# KiCad board AsicsBoard - 16xBM1368 - 01A.kicad_pcb
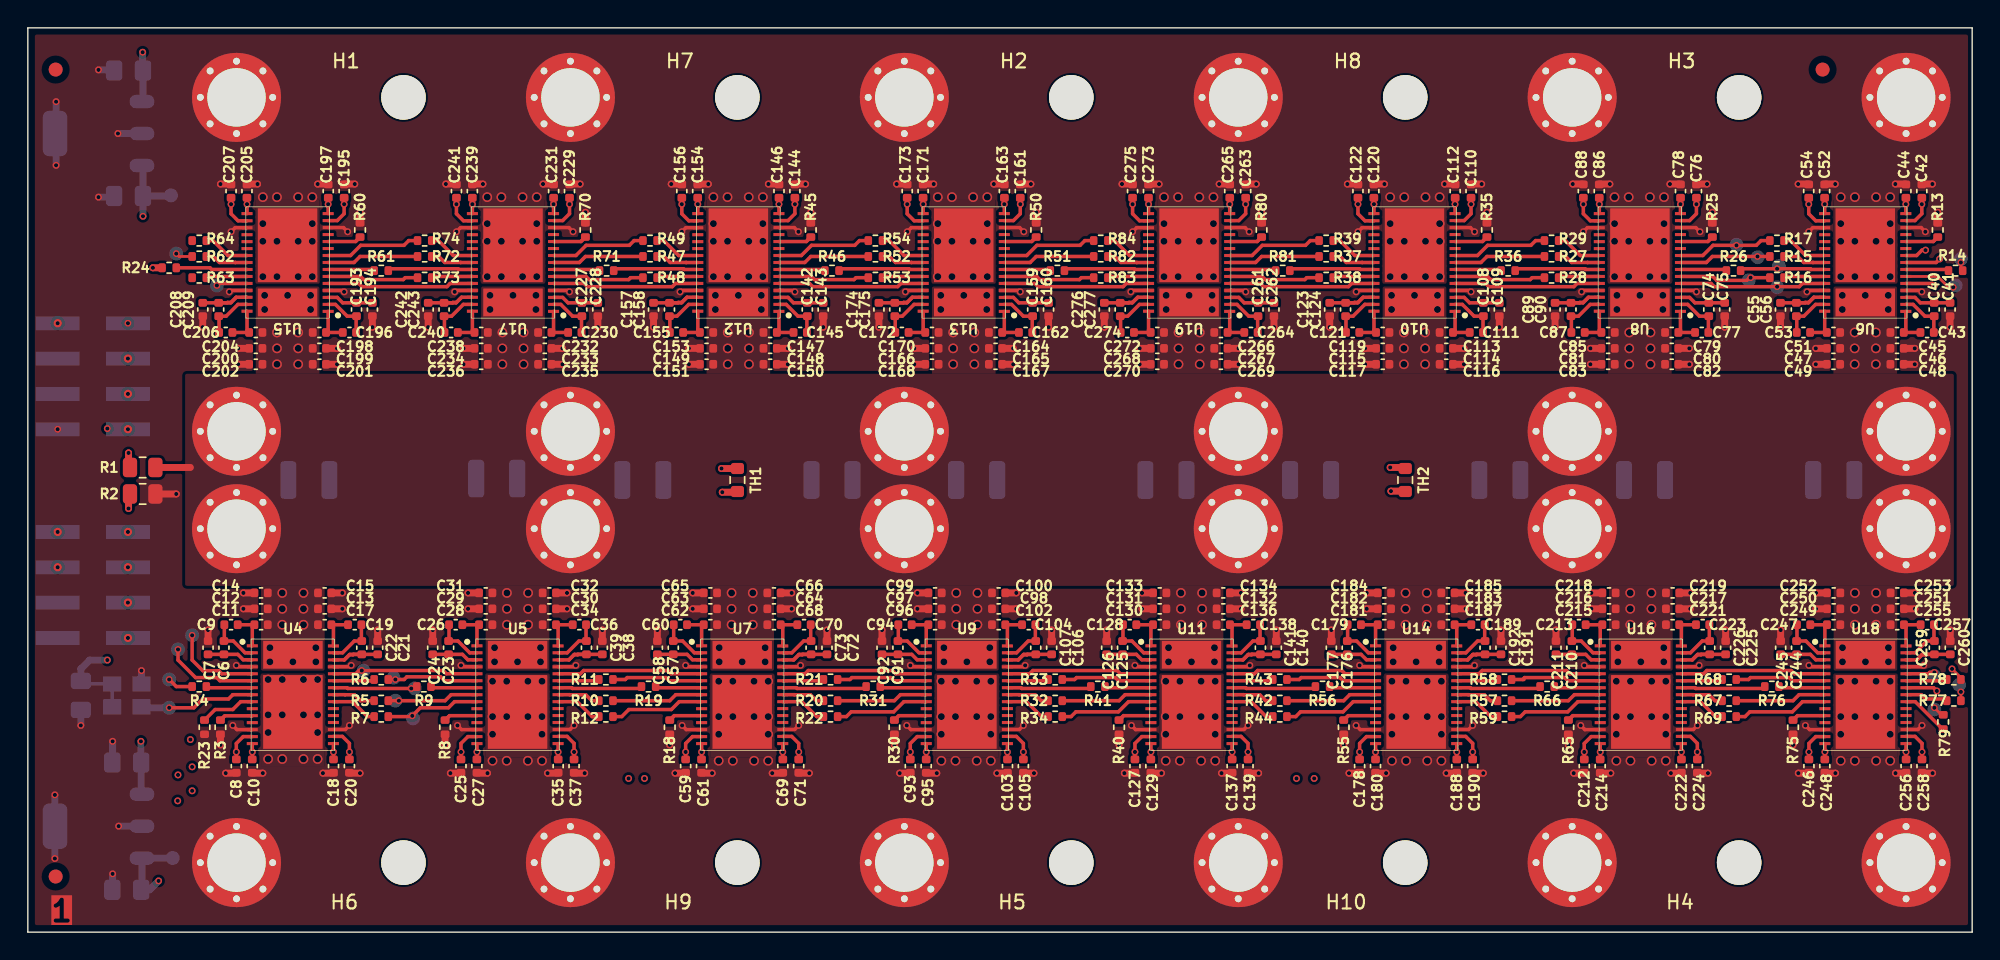
[diagram p0: board, top side]
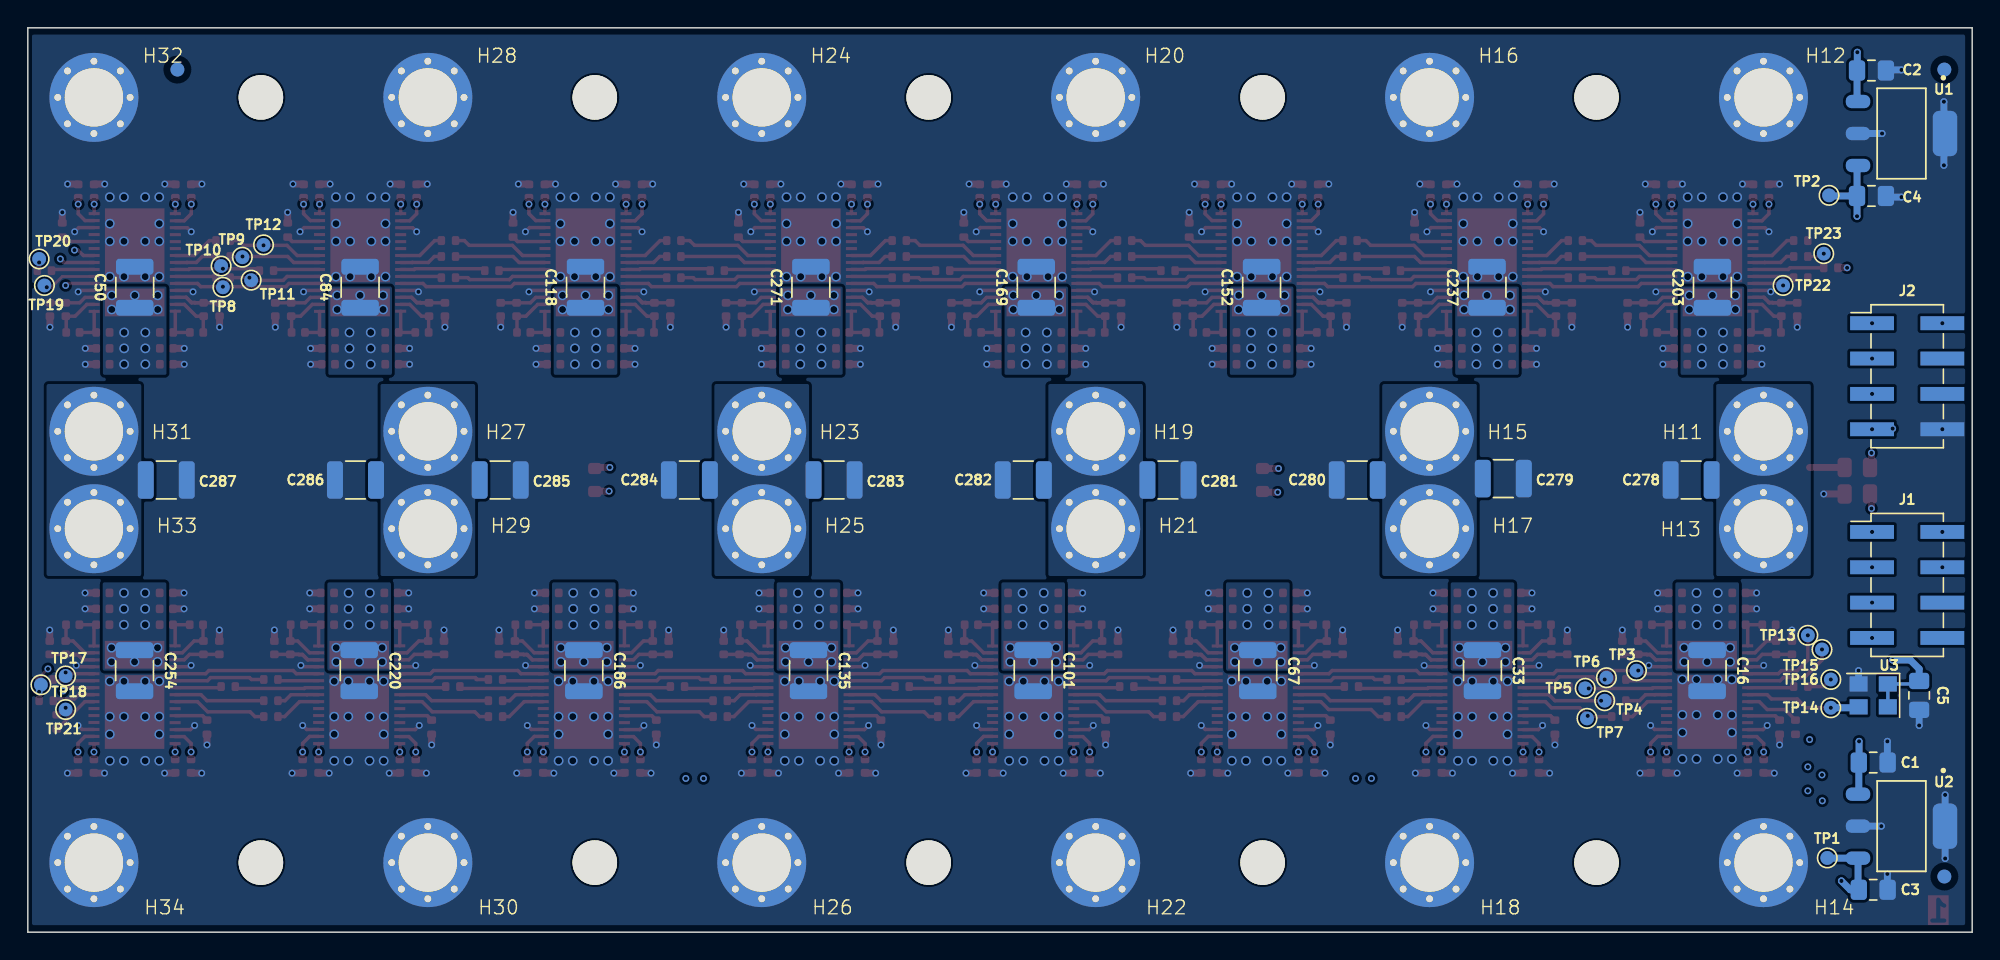
[diagram p1: board, bottom side, seen from below]

Outline 139.75 x 65 mm; copper layers: Top, In1.Cu, In2.Cu, In3.Cu, In4.Cu, Bottom. Coordinates in mm from the lower left corner of the outline.
Outline path: 0,65 0,0 139.75,0 139.75,65 0,65
Stack: Top 0.035mm / dielectric 0.1mm FR4 er 4.5 / In1.Cu 0.035mm / dielectric 0.535mm FR4 er 4.5 / In2.Cu 0.035mm / dielectric 0.1mm FR4 er 4.5 / In3.Cu 0.035mm / dielectric 0.535mm FR4 er 4.5 / In4.Cu 0.035mm / dielectric 0.1mm FR4 er 4.5 / Bottom 0.035mm

## Placement (name value [footprint] x y rotation side)
C1  1uF/16V  [C_0805_2012Metric_Pad1.18x1.45mm_HandSolder]  7.11 12.19 180 bottom
C2  1uF/16V  [C_0805_2012Metric_Pad1.18x1.45mm_HandSolder]  7.24 61.93 180 bottom
C3  1uF/16V  [C_0805_2012Metric_Pad1.18x1.45mm_HandSolder]  7.11 3.05 180 bottom
C4  1uF/16V  [C_0805_2012Metric_Pad1.18x1.45mm_HandSolder]  7.24 52.92 180 bottom
C5  100nF  [C_0805_2012Metric_Pad1.18x1.45mm_HandSolder]  3.81 17.02 270 bottom
C6  1uF/6.3V  [C_0402_1005Metric]  12.95 20.45 270 top
C7  1uF/6.3V  [C_0402_1005Metric]  14.1 20.45 90 top
C8  1uF/6.3V  [C_0402_1005Metric]  14.99 11.94 270 top
C9  1uF/6.3V  [C_0402_1005Metric]  14.61 22.1 0 top
C10  1uF/6.3V  [C_0402_1005Metric]  16.13 11.94 270 top
C11  1uF/6.3V  [C_0402_1005Metric]  16.76 22.1 0 top
C12  100nF  [C_0402_1005Metric]  16.76 23.24 180 top
C13  100nF  [C_0402_1005Metric]  21.34 23.24 0 top
C14  1uF/6.3V  [C_0402_1005Metric]  16.76 24.38 180 top
C15  1uF/6.3V  [C_0402_1005Metric]  21.34 24.38 0 top
C16  330µF/4V  [C_1210_3225Metric]  19.05 18.8 270 bottom
C17  1uF/6.3V  [C_0402_1005Metric]  21.34 22.1 0 top
C18  1uF/6.3V  [C_0402_1005Metric]  21.97 11.94 270 top
C19  1uF/6.3V  [C_0402_1005Metric]  23.5 22.1 0 top
C20  1uF/6.3V  [C_0402_1005Metric]  23.11 11.94 270 top
C21  1uF/6.3V  [C_0402_1005Metric]  24 20.45 270 top
C22  1uF/6.3V  [C_0402_1005Metric]  25.15 20.45 90 top
C23  1uF/6.3V  [C_0402_1005Metric]  29.1 20.45 270 top
C24  1uF/6.3V  [C_0402_1005Metric]  30.24 20.45 90 top
C25  1uF/6.3V  [C_0402_1005Metric]  31.13 11.94 270 top
C26  1uF/6.3V  [C_0402_1005Metric]  30.75 22.1 0 top
C27  1uF/6.3V  [C_0402_1005Metric]  32.28 11.94 270 top
C28  1uF/6.3V  [C_0402_1005Metric]  32.91 22.1 0 top
C29  100nF  [C_0402_1005Metric]  32.91 23.24 180 top
C30  100nF  [C_0402_1005Metric]  37.48 23.24 0 top
C31  1uF/6.3V  [C_0402_1005Metric]  32.91 24.38 180 top
C32  1uF/6.3V  [C_0402_1005Metric]  37.48 24.38 0 top
C33  330µF/4V  [C_1210_3225Metric]  35.2 18.8 270 bottom
C34  1uF/6.3V  [C_0402_1005Metric]  37.48 22.1 0 top
C35  1uF/6.3V  [C_0402_1005Metric]  38.12 11.94 270 top
C36  1uF/6.3V  [C_0402_1005Metric]  39.64 22.1 0 top
C37  1uF/6.3V  [C_0402_1005Metric]  39.26 11.94 270 top
C38  1uF/6.3V  [C_0402_1005Metric]  40.15 20.45 270 top
C39  1uF/6.3V  [C_0402_1005Metric]  41.29 20.45 90 top
C40  1uF/6.3V  [C_0402_1005Metric]  138.16 44.75 90 top
C41  1uF/6.3V  [C_0402_1005Metric]  137.02 44.75 270 top
C42  1uF/6.3V  [C_0402_1005Metric]  136.13 53.26 90 top
C43  1uF/6.3V  [C_0402_1005Metric]  136.51 43.1 180 top
C44  1uF/6.3V  [C_0402_1005Metric]  134.99 53.26 90 top
C45  1uF/6.3V  [C_0402_1005Metric]  134.35 43.1 180 top
C46  100nF  [C_0402_1005Metric]  134.35 41.96 0 top
C47  100nF  [C_0402_1005Metric]  129.78 41.96 180 top
C48  1uF/6.3V  [C_0402_1005Metric]  134.35 40.82 0 top
C49  1uF/6.3V  [C_0402_1005Metric]  129.78 40.82 180 top
C50  330µF/4V  [C_1210_3225Metric]  132.07 46.36 90 bottom
C51  1uF/6.3V  [C_0402_1005Metric]  129.78 43.1 180 top
C52  1uF/6.3V  [C_0402_1005Metric]  129.15 53.26 90 top
C53  1uF/6.3V  [C_0402_1005Metric]  127.62 43.1 180 top
C54  1uF/6.3V  [C_0402_1005Metric]  128 53.26 90 top
C55  1uF/6.3V  [C_0402_1005Metric]  127.11 44.76 90 top
C56  1uF/6.3V  [C_0402_1005Metric]  125.97 44.76 270 top
C57  1uF/6.3V  [C_0402_1005Metric]  45.25 20.45 270 top
C58  1uF/6.3V  [C_0402_1005Metric]  46.39 20.45 90 top
C59  1uF/6.3V  [C_0402_1005Metric]  47.28 11.94 270 top
C60  1uF/6.3V  [C_0402_1005Metric]  46.9 22.1 0 top
C61  1uF/6.3V  [C_0402_1005Metric]  48.42 11.94 270 top
C62  1uF/6.3V  [C_0402_1005Metric]  49.06 22.1 0 top
C63  100nF  [C_0402_1005Metric]  49.06 23.24 180 top
C64  100nF  [C_0402_1005Metric]  53.63 23.24 0 top
C65  1uF/6.3V  [C_0402_1005Metric]  49.06 24.38 180 top
C66  1uF/6.3V  [C_0402_1005Metric]  53.63 24.38 0 top
C67  330µF/4V  [C_1210_3225Metric]  51.34 18.8 270 bottom
C68  1uF/6.3V  [C_0402_1005Metric]  53.63 22.1 0 top
C69  1uF/6.3V  [C_0402_1005Metric]  54.27 11.94 270 top
C70  1uF/6.3V  [C_0402_1005Metric]  55.79 22.1 0 top
C71  1uF/6.3V  [C_0402_1005Metric]  55.41 11.94 270 top
C72  1uF/6.3V  [C_0402_1005Metric]  56.3 20.45 270 top
C73  1uF/6.3V  [C_0402_1005Metric]  57.44 20.45 90 top
C74  1uF/6.3V  [C_0402_1005Metric]  121.96 44.75 90 top
C75  1uF/6.3V  [C_0402_1005Metric]  120.82 44.75 270 top
C76  1uF/6.3V  [C_0402_1005Metric]  119.93 53.26 90 top
C77  1uF/6.3V  [C_0402_1005Metric]  120.31 43.1 180 top
C78  1uF/6.3V  [C_0402_1005Metric]  118.79 53.26 90 top
C79  1uF/6.3V  [C_0402_1005Metric]  118.15 43.1 180 top
C80  100nF  [C_0402_1005Metric]  118.15 41.96 0 top
C81  100nF  [C_0402_1005Metric]  113.58 41.96 180 top
C82  1uF/6.3V  [C_0402_1005Metric]  118.15 40.82 0 top
C83  1uF/6.3V  [C_0402_1005Metric]  113.58 40.82 180 top
C84  330µF/4V  [C_1210_3225Metric]  115.87 46.36 90 bottom
C85  1uF/6.3V  [C_0402_1005Metric]  113.58 43.1 180 top
C86  1uF/6.3V  [C_0402_1005Metric]  112.95 53.26 90 top
C87  1uF/6.3V  [C_0402_1005Metric]  111.42 43.1 180 top
C88  1uF/6.3V  [C_0402_1005Metric]  111.8 53.26 90 top
C89  1uF/6.3V  [C_0402_1005Metric]  110.91 44.76 90 top
C90  1uF/6.3V  [C_0402_1005Metric]  109.77 44.76 270 top
C91  1uF/6.3V  [C_0402_1005Metric]  61.4 20.45 270 top
C92  1uF/6.3V  [C_0402_1005Metric]  62.54 20.45 90 top
C93  1uF/6.3V  [C_0402_1005Metric]  63.43 11.94 270 top
C94  1uF/6.3V  [C_0402_1005Metric]  63.05 22.1 0 top
C95  1uF/6.3V  [C_0402_1005Metric]  64.57 11.94 270 top
C96  1uF/6.3V  [C_0402_1005Metric]  65.21 22.1 0 top
C97  100nF  [C_0402_1005Metric]  65.21 23.24 180 top
C98  100nF  [C_0402_1005Metric]  69.78 23.24 0 top
C99  1uF/6.3V  [C_0402_1005Metric]  65.21 24.38 180 top
C100  1uF/6.3V  [C_0402_1005Metric]  69.78 24.38 0 top
C101  330µF/4V  [C_1210_3225Metric]  67.49 18.8 270 bottom
C102  1uF/6.3V  [C_0402_1005Metric]  69.78 22.1 0 top
C103  1uF/6.3V  [C_0402_1005Metric]  70.41 11.94 270 top
C104  1uF/6.3V  [C_0402_1005Metric]  71.94 22.1 0 top
C105  1uF/6.3V  [C_0402_1005Metric]  71.56 11.94 270 top
C106  1uF/6.3V  [C_0402_1005Metric]  72.44 20.45 270 top
C107  1uF/6.3V  [C_0402_1005Metric]  73.59 20.45 90 top
C108  1uF/6.3V  [C_0402_1005Metric]  105.76 44.75 90 top
C109  1uF/6.3V  [C_0402_1005Metric]  104.62 44.75 270 top
C110  1uF/6.3V  [C_0402_1005Metric]  103.73 53.26 90 top
C111  1uF/6.3V  [C_0402_1005Metric]  104.11 43.1 180 top
C112  1uF/6.3V  [C_0402_1005Metric]  102.59 53.26 90 top
C113  1uF/6.3V  [C_0402_1005Metric]  101.95 43.1 180 top
C114  100nF  [C_0402_1005Metric]  101.95 41.96 0 top
C115  100nF  [C_0402_1005Metric]  97.38 41.96 180 top
C116  1uF/6.3V  [C_0402_1005Metric]  101.95 40.82 0 top
C117  1uF/6.3V  [C_0402_1005Metric]  97.38 40.82 180 top
C118  330µF/4V  [C_1210_3225Metric]  99.67 46.36 90 bottom
C119  1uF/6.3V  [C_0402_1005Metric]  97.38 43.1 180 top
C120  1uF/6.3V  [C_0402_1005Metric]  96.75 53.26 90 top
C121  1uF/6.3V  [C_0402_1005Metric]  95.22 43.1 180 top
C122  1uF/6.3V  [C_0402_1005Metric]  95.6 53.26 90 top
C123  1uF/6.3V  [C_0402_1005Metric]  94.71 44.76 90 top
C124  1uF/6.3V  [C_0402_1005Metric]  93.57 44.76 270 top
C125  1uF/6.3V  [C_0402_1005Metric]  77.54 20.45 270 top
C126  1uF/6.3V  [C_0402_1005Metric]  78.69 20.45 90 top
C127  1uF/6.3V  [C_0402_1005Metric]  79.57 11.94 270 top
C128  1uF/6.3V  [C_0402_1005Metric]  79.19 22.1 0 top
C129  1uF/6.3V  [C_0402_1005Metric]  80.72 11.94 270 top
C130  1uF/6.3V  [C_0402_1005Metric]  81.35 22.1 0 top
C131  100nF  [C_0402_1005Metric]  81.35 23.24 180 top
C132  100nF  [C_0402_1005Metric]  85.92 23.24 0 top
C133  1uF/6.3V  [C_0402_1005Metric]  81.35 24.38 180 top
C134  1uF/6.3V  [C_0402_1005Metric]  85.92 24.38 0 top
C135  330µF/4V  [C_1210_3225Metric]  83.64 18.8 270 bottom
C136  1uF/6.3V  [C_0402_1005Metric]  85.92 22.1 0 top
C137  1uF/6.3V  [C_0402_1005Metric]  86.56 11.94 270 top
C138  1uF/6.3V  [C_0402_1005Metric]  88.08 22.1 0 top
C139  1uF/6.3V  [C_0402_1005Metric]  87.7 11.94 270 top
C140  1uF/6.3V  [C_0402_1005Metric]  88.59 20.45 270 top
C141  1uF/6.3V  [C_0402_1005Metric]  89.73 20.45 90 top
C142  1uF/6.3V  [C_0402_1005Metric]  57.17 44.75 90 top
C143  1uF/6.3V  [C_0402_1005Metric]  56.02 44.75 270 top
C144  1uF/6.3V  [C_0402_1005Metric]  55.13 53.26 90 top
C145  1uF/6.3V  [C_0402_1005Metric]  55.51 43.1 180 top
C146  1uF/6.3V  [C_0402_1005Metric]  53.99 53.26 90 top
C147  1uF/6.3V  [C_0402_1005Metric]  53.36 43.1 180 top
C148  100nF  [C_0402_1005Metric]  53.36 41.96 0 top
C149  100nF  [C_0402_1005Metric]  48.78 41.96 180 top
C150  1uF/6.3V  [C_0402_1005Metric]  53.36 40.82 0 top
C151  1uF/6.3V  [C_0402_1005Metric]  48.78 40.82 180 top
C152  330µF/4V  [C_1210_3225Metric]  51.07 46.36 90 bottom
C153  1uF/6.3V  [C_0402_1005Metric]  48.78 43.1 180 top
C154  1uF/6.3V  [C_0402_1005Metric]  48.15 53.26 90 top
C155  1uF/6.3V  [C_0402_1005Metric]  46.62 43.1 180 top
C156  1uF/6.3V  [C_0402_1005Metric]  47.01 53.26 90 top
C157  1uF/6.3V  [C_0402_1005Metric]  46.12 44.76 90 top
C158  1uF/6.3V  [C_0402_1005Metric]  44.97 44.76 270 top
C159  1uF/6.3V  [C_0402_1005Metric]  73.36 44.75 90 top
C160  1uF/6.3V  [C_0402_1005Metric]  72.22 44.75 270 top
C161  1uF/6.3V  [C_0402_1005Metric]  71.33 53.26 90 top
C162  1uF/6.3V  [C_0402_1005Metric]  71.71 43.1 180 top
C163  1uF/6.3V  [C_0402_1005Metric]  70.19 53.26 90 top
C164  1uF/6.3V  [C_0402_1005Metric]  69.55 43.1 180 top
C165  100nF  [C_0402_1005Metric]  69.55 41.96 0 top
C166  100nF  [C_0402_1005Metric]  64.98 41.96 180 top
C167  1uF/6.3V  [C_0402_1005Metric]  69.55 40.82 0 top
C168  1uF/6.3V  [C_0402_1005Metric]  64.98 40.82 180 top
C169  330µF/4V  [C_1210_3225Metric]  67.27 46.36 90 bottom
C170  1uF/6.3V  [C_0402_1005Metric]  64.98 43.1 180 top
C171  1uF/6.3V  [C_0402_1005Metric]  64.35 53.26 90 top
C172  1uF/6.3V  [C_0402_1005Metric]  62.82 43.1 180 top
C173  1uF/6.3V  [C_0402_1005Metric]  63.2 53.26 90 top
C174  1uF/6.3V  [C_0402_1005Metric]  62.32 44.76 90 top
C175  1uF/6.3V  [C_0402_1005Metric]  61.17 44.76 270 top
C176  1uF/6.3V  [C_0402_1005Metric]  93.69 20.45 270 top
C177  1uF/6.3V  [C_0402_1005Metric]  94.83 20.45 90 top
C178  1uF/6.3V  [C_0402_1005Metric]  95.72 11.94 270 top
C179  1uF/6.3V  [C_0402_1005Metric]  95.34 22.1 0 top
C180  1uF/6.3V  [C_0402_1005Metric]  96.86 11.94 270 top
C181  1uF/6.3V  [C_0402_1005Metric]  97.5 22.1 0 top
C182  100nF  [C_0402_1005Metric]  97.5 23.24 180 top
C183  100nF  [C_0402_1005Metric]  102.07 23.24 0 top
C184  1uF/6.3V  [C_0402_1005Metric]  97.5 24.38 180 top
C185  1uF/6.3V  [C_0402_1005Metric]  102.07 24.38 0 top
C186  330µF/4V  [C_1210_3225Metric]  99.79 18.8 270 bottom
C187  1uF/6.3V  [C_0402_1005Metric]  102.07 22.1 0 top
C188  1uF/6.3V  [C_0402_1005Metric]  102.71 11.94 270 top
C189  1uF/6.3V  [C_0402_1005Metric]  104.23 22.1 0 top
C190  1uF/6.3V  [C_0402_1005Metric]  103.85 11.94 270 top
C191  1uF/6.3V  [C_0402_1005Metric]  104.74 20.45 270 top
C192  1uF/6.3V  [C_0402_1005Metric]  105.88 20.45 90 top
C193  1uF/6.3V  [C_0402_1005Metric]  24.77 44.75 90 top
C194  1uF/6.3V  [C_0402_1005Metric]  23.62 44.75 270 top
C195  1uF/6.3V  [C_0402_1005Metric]  22.73 53.26 90 top
C196  1uF/6.3V  [C_0402_1005Metric]  23.12 43.1 180 top
C197  1uF/6.3V  [C_0402_1005Metric]  21.59 53.26 90 top
C198  1uF/6.3V  [C_0402_1005Metric]  20.96 43.1 180 top
C199  100nF  [C_0402_1005Metric]  20.96 41.96 0 top
C200  100nF  [C_0402_1005Metric]  16.39 41.96 180 top
C201  1uF/6.3V  [C_0402_1005Metric]  20.96 40.82 0 top
C202  1uF/6.3V  [C_0402_1005Metric]  16.39 40.82 180 top
C203  330µF/4V  [C_1210_3225Metric]  18.67 46.36 90 bottom
C204  1uF/6.3V  [C_0402_1005Metric]  16.39 43.1 180 top
C205  1uF/6.3V  [C_0402_1005Metric]  15.75 53.26 90 top
C206  1uF/6.3V  [C_0402_1005Metric]  14.23 43.1 180 top
C207  1uF/6.3V  [C_0402_1005Metric]  14.61 53.26 90 top
C208  1uF/6.3V  [C_0402_1005Metric]  13.72 44.76 90 top
C209  1uF/6.3V  [C_0402_1005Metric]  12.58 44.76 270 top
C210  1uF/6.3V  [C_0402_1005Metric]  109.84 20.45 270 top
C211  1uF/6.3V  [C_0402_1005Metric]  110.98 20.45 90 top
C212  1uF/6.3V  [C_0402_1005Metric]  111.87 11.94 270 top
C213  1uF/6.3V  [C_0402_1005Metric]  111.49 22.1 0 top
C214  1uF/6.3V  [C_0402_1005Metric]  113.01 11.94 270 top
C215  1uF/6.3V  [C_0402_1005Metric]  113.65 22.1 0 top
C216  100nF  [C_0402_1005Metric]  113.65 23.24 180 top
C217  100nF  [C_0402_1005Metric]  118.22 23.24 0 top
C218  1uF/6.3V  [C_0402_1005Metric]  113.65 24.38 180 top
C219  1uF/6.3V  [C_0402_1005Metric]  118.22 24.38 0 top
C220  330µF/4V  [C_1210_3225Metric]  115.93 18.8 270 bottom
C221  1uF/6.3V  [C_0402_1005Metric]  118.22 22.1 0 top
C222  1uF/6.3V  [C_0402_1005Metric]  118.85 11.94 270 top
C223  1uF/6.3V  [C_0402_1005Metric]  120.38 22.1 0 top
C224  1uF/6.3V  [C_0402_1005Metric]  120 11.94 270 top
C225  1uF/6.3V  [C_0402_1005Metric]  120.89 20.45 270 top
C226  1uF/6.3V  [C_0402_1005Metric]  122.03 20.45 90 top
C227  1uF/6.3V  [C_0402_1005Metric]  40.97 44.75 90 top
C228  1uF/6.3V  [C_0402_1005Metric]  39.82 44.75 270 top
C229  1uF/6.3V  [C_0402_1005Metric]  38.93 53.26 90 top
C230  1uF/6.3V  [C_0402_1005Metric]  39.32 43.1 180 top
C231  1uF/6.3V  [C_0402_1005Metric]  37.79 53.26 90 top
C232  1uF/6.3V  [C_0402_1005Metric]  37.16 43.1 180 top
C233  100nF  [C_0402_1005Metric]  37.16 41.96 0 top
C234  100nF  [C_0402_1005Metric]  32.58 41.96 180 top
C235  1uF/6.3V  [C_0402_1005Metric]  37.16 40.82 0 top
C236  1uF/6.3V  [C_0402_1005Metric]  32.58 40.82 180 top
C237  330µF/4V  [C_1210_3225Metric]  34.87 46.36 90 bottom
C238  1uF/6.3V  [C_0402_1005Metric]  32.58 43.1 180 top
C239  1uF/6.3V  [C_0402_1005Metric]  31.95 53.26 90 top
C240  1uF/6.3V  [C_0402_1005Metric]  30.43 43.1 180 top
C241  1uF/6.3V  [C_0402_1005Metric]  30.81 53.26 90 top
C242  1uF/6.3V  [C_0402_1005Metric]  29.92 44.76 90 top
C243  1uF/6.3V  [C_0402_1005Metric]  28.77 44.76 270 top
C244  1uF/6.3V  [C_0402_1005Metric]  125.98 20.45 270 top
C245  1uF/6.3V  [C_0402_1005Metric]  127.13 20.45 90 top
C246  1uF/6.3V  [C_0402_1005Metric]  128.02 11.94 270 top
C247  1uF/6.3V  [C_0402_1005Metric]  127.63 22.1 0 top
C248  1uF/6.3V  [C_0402_1005Metric]  129.16 11.94 270 top
C249  1uF/6.3V  [C_0402_1005Metric]  129.79 22.1 0 top
C250  100nF  [C_0402_1005Metric]  129.79 23.24 180 top
C251  100nF  [C_0402_1005Metric]  134.37 23.24 0 top
C252  1uF/6.3V  [C_0402_1005Metric]  129.79 24.38 180 top
C253  1uF/6.3V  [C_0402_1005Metric]  134.37 24.38 0 top
C254  330µF/4V  [C_1210_3225Metric]  132.08 18.8 270 bottom
C255  1uF/6.3V  [C_0402_1005Metric]  134.37 22.1 0 top
C256  1uF/6.3V  [C_0402_1005Metric]  135 11.94 270 top
C257  1uF/6.3V  [C_0402_1005Metric]  136.53 22.1 0 top
C258  1uF/6.3V  [C_0402_1005Metric]  136.14 11.94 270 top
C259  1uF/6.3V  [C_0402_1005Metric]  137.03 20.45 270 top
C260  1uF/6.3V  [C_0402_1005Metric]  138.18 20.45 90 top
C261  1uF/6.3V  [C_0402_1005Metric]  89.56 44.75 90 top
C262  1uF/6.3V  [C_0402_1005Metric]  88.42 44.75 270 top
C263  1uF/6.3V  [C_0402_1005Metric]  87.53 53.26 90 top
C264  1uF/6.3V  [C_0402_1005Metric]  87.91 43.1 180 top
C265  1uF/6.3V  [C_0402_1005Metric]  86.39 53.26 90 top
C266  1uF/6.3V  [C_0402_1005Metric]  85.75 43.1 180 top
C267  100nF  [C_0402_1005Metric]  85.75 41.96 0 top
C268  100nF  [C_0402_1005Metric]  81.18 41.96 180 top
C269  1uF/6.3V  [C_0402_1005Metric]  85.75 40.82 0 top
C270  1uF/6.3V  [C_0402_1005Metric]  81.18 40.82 180 top
C271  330µF/4V  [C_1210_3225Metric]  83.47 46.36 90 bottom
C272  1uF/6.3V  [C_0402_1005Metric]  81.18 43.1 180 top
C273  1uF/6.3V  [C_0402_1005Metric]  80.55 53.26 90 top
C274  1uF/6.3V  [C_0402_1005Metric]  79.02 43.1 180 top
C275  1uF/6.3V  [C_0402_1005Metric]  79.4 53.26 90 top
C276  1uF/6.3V  [C_0402_1005Metric]  78.52 44.76 90 top
C277  1uF/6.3V  [C_0402_1005Metric]  77.37 44.76 270 top
C278  330µF/4V  [C_1210_3225Metric]  20.2 32.5 0 bottom
C279  330µF/4V  [C_1210_3225Metric]  33.7 32.6 180 bottom
C280  330µF/4V  [C_1210_3225Metric]  44.2 32.5 0 bottom
C281  330µF/4V  [C_1210_3225Metric]  57.8 32.5 180 bottom
C282  330µF/4V  [C_1210_3225Metric]  68.2 32.5 0 bottom
C283  330µF/4V  [C_1210_3225Metric]  81.8 32.5 180 bottom
C284  330µF/4V  [C_1210_3225Metric]  92.2 32.5 0 bottom
C285  330µF/4V  [C_1210_3225Metric]  105.8 32.5 180 bottom
C286  330µF/4V  [C_1210_3225Metric]  116.2 32.5 0 bottom
C287  330µF/4V  [C_1210_3225Metric]  129.8 32.5 180 bottom
FID1  Fiducial  [Fiducial_1mm_Mask2mm]  2 62 0 top
FID2  Fiducial  [Fiducial_1mm_Mask2mm]  2 4 0 top
FID3  Fiducial  [Fiducial_1mm_Mask2mm]  129 62 0 top
FID4  Fiducial  [Fiducial_1mm_Mask2mm]  2 62 180 bottom
FID5  Fiducial  [Fiducial_1mm_Mask2mm]  129 62 180 bottom
FID6  Fiducial  [Fiducial_1mm_Mask2mm]  2 4 180 bottom
H1  MountingHole  [MountingHole_3.2mm_M3_ISO7380]  27 60 0 top
H2  MountingHole  [MountingHole_3.2mm_M3_ISO7380]  75 60 0 top
H3  MountingHole  [MountingHole_3.2mm_M3_ISO7380]  123 60 0 top
H4  MountingHole  [MountingHole_3.2mm_M3_ISO7380]  123 5 0 top
H5  MountingHole  [MountingHole_3.2mm_M3_ISO7380]  75 5 90 top
H6  MountingHole  [MountingHole_3.2mm_M3_ISO7380]  27 5 0 top
H7  MountingHole  [MountingHole_3.2mm_M3_ISO7380]  51 60 0 top
H8  MountingHole  [MountingHole_3.2mm_M3_ISO7380]  99 60 0 top
H9  MountingHole  [MountingHole_3.2mm_M3_ISO7380]  51 5 0 top
H10  MountingHole  [MountingHole_3.2mm_M3_ISO7380]  99 5 0 top
H11  MountingHole_Pad  [SMTSO-M3-10ET]  15 36 180 bottom
H12  MountingHole_Pad  [SMTSO-M3-10ET]  15 60 180 bottom
H13  MountingHole_Pad  [SMTSO-M3-10ET]  15 29 180 bottom
H14  MountingHole_Pad  [SMTSO-M3-10ET]  15 5 180 bottom
H15  MountingHole_Pad  [SMTSO-M3-10ET]  39 36 180 bottom
H16  MountingHole_Pad  [SMTSO-M3-10ET]  39 60 180 bottom
H17  MountingHole_Pad  [SMTSO-M3-10ET]  39 29 180 bottom
H18  MountingHole_Pad  [SMTSO-M3-10ET]  39 5 180 bottom
H19  MountingHole_Pad  [SMTSO-M3-10ET]  63 36 180 bottom
H20  MountingHole_Pad  [SMTSO-M3-10ET]  63 60 180 bottom
H21  MountingHole_Pad  [SMTSO-M3-10ET]  63 29 180 bottom
H22  MountingHole_Pad  [SMTSO-M3-10ET]  63 5 180 bottom
H23  MountingHole_Pad  [SMTSO-M3-10ET]  87 36 180 bottom
H24  MountingHole_Pad  [SMTSO-M3-10ET]  87 60 180 bottom
H25  MountingHole_Pad  [SMTSO-M3-10ET]  87 29 180 bottom
H26  MountingHole_Pad  [SMTSO-M3-10ET]  87 5 180 bottom
H27  MountingHole_Pad  [SMTSO-M3-10ET]  111 36 180 bottom
H28  MountingHole_Pad  [SMTSO-M3-10ET]  111 60 180 bottom
H29  MountingHole_Pad  [SMTSO-M3-10ET]  111 29 180 bottom
H30  MountingHole_Pad  [SMTSO-M3-10ET]  111 5 180 bottom
H31  MountingHole_Pad  [SMTSO-M3-10ET]  135 36 180 bottom
H32  MountingHole_Pad  [SMTSO-M3-10ET]  135 60 180 bottom
H33  MountingHole_Pad  [SMTSO-M3-10ET]  135 29 180 bottom
H34  MountingHole_Pad  [SMTSO-M3-10ET]  135 5 180 bottom
J1  Conn_02x04_Odd_Even  [PinHeader_2x04_P2.54mm_Vertical_SMD]  4.67 24.96 180 bottom
J2  Conn_02x04_Odd_Even  [PinHeader_2x04_P2.54mm_Vertical_SMD]  4.67 39.96 180 bottom
R1  51R 0.5%  [R_0805_2012Metric]  8.25 33.4 180 top
R2  51R 0.5%  [R_0805_2012Metric]  8.25 31.5 180 top
R3  1K  [R_0402_1005Metric]  13.84 14.73 270 top
R4  33R  [R_0402_1005Metric]  12.32 17.65 180 top
R5  33R  [R_0402_1005Metric]  25.4 16.64 0 top
R6  33R  [R_0402_1005Metric]  25.4 18.16 0 top
R7  33R  [R_0402_1005Metric]  25.4 15.49 0 top
R8  1K  [R_0402_1005Metric]  29.99 14.73 270 top
R9  33R  [R_0402_1005Metric]  28.47 17.65 180 top
R10  33R  [R_0402_1005Metric]  41.55 16.64 0 top
R11  33R  [R_0402_1005Metric]  41.55 18.16 0 top
R12  33R  [R_0402_1005Metric]  41.55 15.49 0 top
R13  1K  [R_0402_1005Metric]  137.27 50.47 90 top
R14  33R  [R_0402_1005Metric]  138.56 47.55 0 top
R15  33R  [R_0402_1005Metric]  125.72 48.56 180 top
R16  33R  [R_0402_1005Metric]  125.72 47.04 180 top
R17  33R  [R_0402_1005Metric]  125.72 49.71 180 top
R18  1K  [R_0402_1005Metric]  46.14 14.73 270 top
R19  33R  [R_0402_1005Metric]  44.62 17.65 180 top
R20  33R  [R_0402_1005Metric]  57.69 16.64 0 top
R21  33R  [R_0402_1005Metric]  57.69 18.16 0 top
R22  33R  [R_0402_1005Metric]  57.69 15.49 0 top
R23  10K  [R_0402_1005Metric]  12.7 14.73 90 top
R24  10K  [R_0402_1005Metric]  10.16 47.75 0 top
R25  1K  [R_0402_1005Metric]  121.07 50.47 90 top
R26  33R  [R_0402_1005Metric]  122.6 47.55 0 top
R27  33R  [R_0402_1005Metric]  109.52 48.56 180 top
R28  33R  [R_0402_1005Metric]  109.52 47.04 180 top
R29  33R  [R_0402_1005Metric]  109.52 49.71 180 top
R30  1K  [R_0402_1005Metric]  62.28 14.73 270 top
R31  33R  [R_0402_1005Metric]  60.76 17.65 180 top
R32  33R  [R_0402_1005Metric]  73.84 16.64 0 top
R33  33R  [R_0402_1005Metric]  73.84 18.16 0 top
R34  33R  [R_0402_1005Metric]  73.84 15.49 0 top
R35  1K  [R_0402_1005Metric]  104.87 50.47 90 top
R36  33R  [R_0402_1005Metric]  106.4 47.55 0 top
R37  33R  [R_0402_1005Metric]  93.32 48.56 180 top
R38  33R  [R_0402_1005Metric]  93.32 47.04 180 top
R39  33R  [R_0402_1005Metric]  93.32 49.71 180 top
R40  1K  [R_0402_1005Metric]  78.43 14.73 270 top
R41  33R  [R_0402_1005Metric]  76.91 17.65 180 top
R42  33R  [R_0402_1005Metric]  89.99 16.64 0 top
R43  33R  [R_0402_1005Metric]  89.99 18.16 0 top
R44  33R  [R_0402_1005Metric]  89.99 15.49 0 top
R45  1K  [R_0402_1005Metric]  56.28 50.47 90 top
R46  33R  [R_0402_1005Metric]  57.8 47.55 0 top
R47  33R  [R_0402_1005Metric]  44.72 48.56 180 top